# Altium PCB Audio_Blade_Mic_Array.PcbDoc (part 1 of 4) (continued)
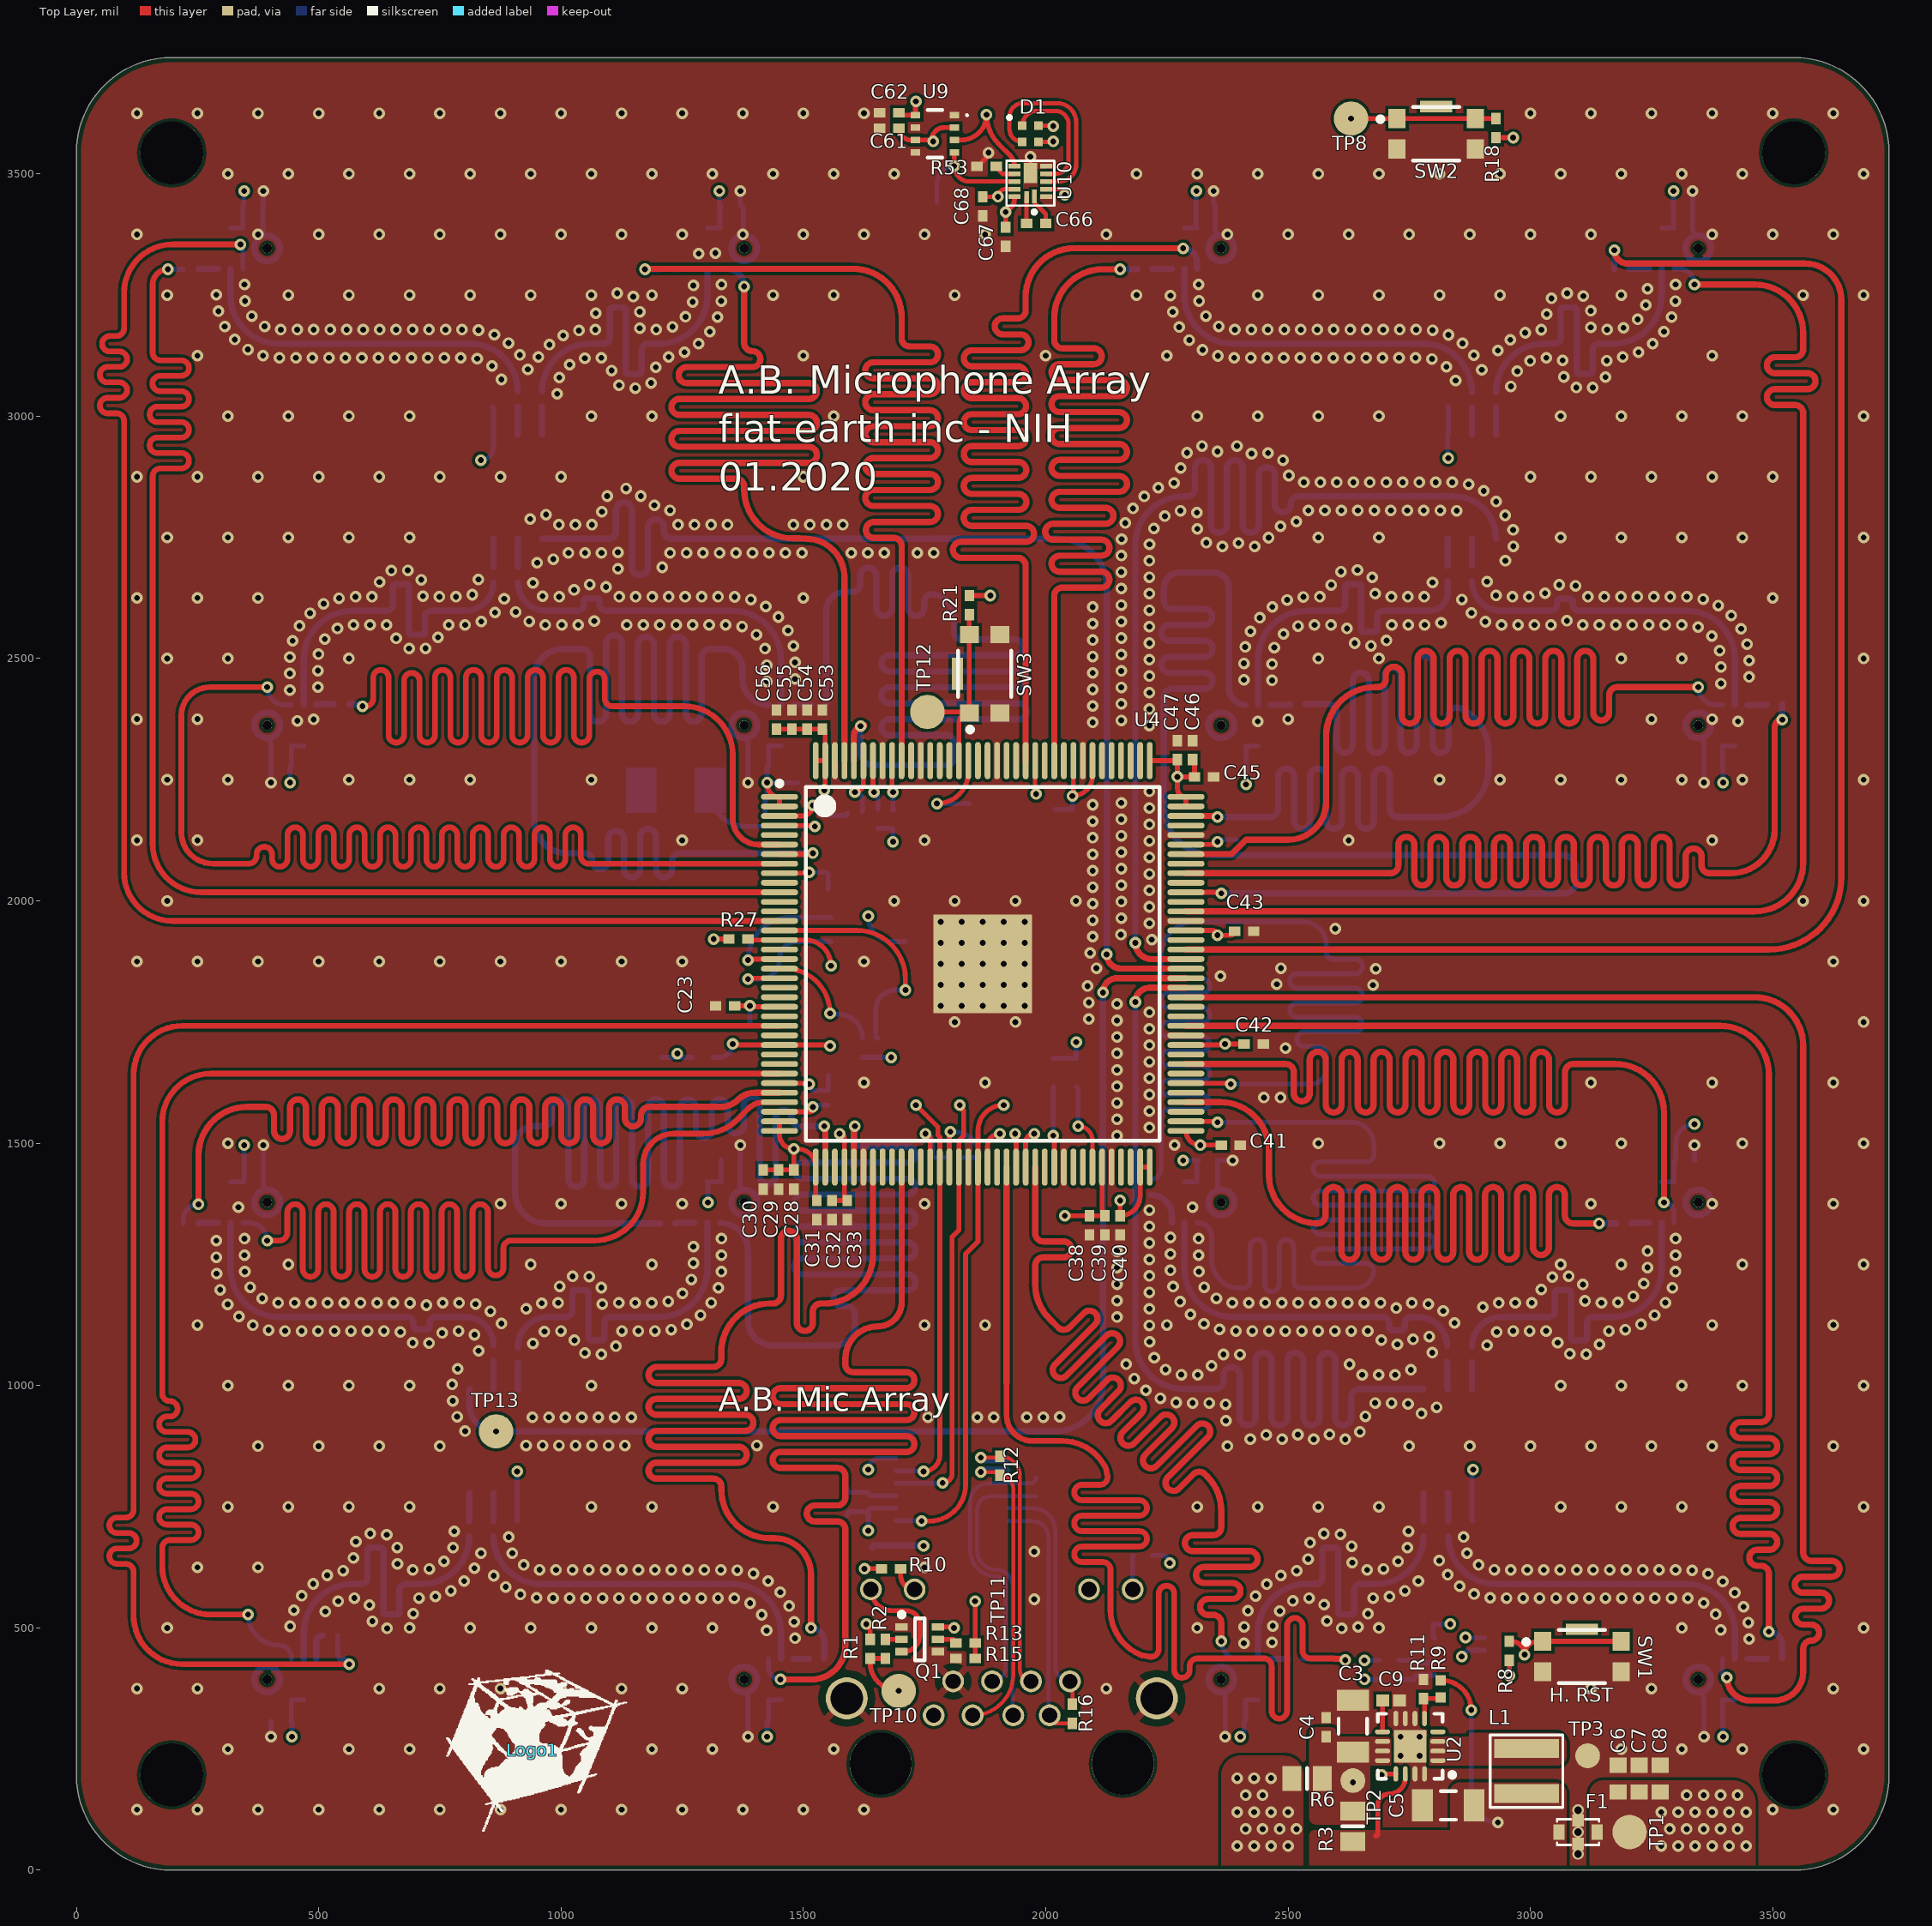
[diagram p0: Top Layer view]
## Footprints (in the part's own frame and the unit in brackets; to place one, negate y for a bottom-side part, rotate by r counter-clockwise, add the part's x,y. Pads: shape width x height; smd on the part's side, far side on the other; paste and mask are expansions set on the pad) (continued)
XFL4020 [mm] "Shielded Power Inductors"
  rect 0.98x3.4 smd: 1(-1.185,0) 2(1.185,0)
  silkscreen extent -1.89,-1.9 1.91,1.9, body extent -2.15,-2.15 2.15,2.15, height 2.05

## Part data
C1 C2 C4: "CAP CER 0.1UF 50V X7R 0402", Capacitance=0.1µF, Manufacturer="TDK Corporation", Operating Temperature="-55°C ~ 125°C", Package / Case="0402 (1005 Metric)", Ratings=-, Supplier Part Number 1=445-173610-1-ND, Temperature Coefficient=X7R, Tolerance=±10%, Voltage - Rated=50V, Applications="Boardflex Sensitive", Category=Capacitors, ComponentLink1Description=https://product.tdk.com/info/en/catalog/datasheets/mlcc_commercial_soft_en.pdf, ComponentLink1URL=https://product.tdk.com/info/en/catalog/datasheets/mlcc_commercial_soft_en.pdf, Failure Rate=-, Features="Soft Termination", Height - Seated (Max)=-, Lead Spacing=-, Lead Style=-, Manufacturer Part Number=C1005X7R1H104K050BE, Mounting Type="Surface Mount, MLCC", Packaging="Cut Tape (CT)", Part Status=Active, Pricing 1="1=0.19, 10=0.133, 100=0.0673, 500=0.04604, 1000=0.04073, 2500=0.03896, 5000=0.03542 (USD)", RoHS="RoHS Compliant", Size / Dimension="0.039\" L x 0.020\" W (1.00mm x 0.50mm)", Stock 1=211300, Supplier 1=Digi-Key, Thickness (Max)="0.024\" (0.60mm)"
C3 C5: "CAP CER 22UF 35V X5R 1206", Capacitance=22uF, Case Code (Imperial)=1206, Case Code (Metric)=3216, Dielectric=X5R, Dielectric Material=Ceramic, Manufacturer=TDK, Max Operating Temperature=85°C, Min Operating Temperature=-55°C, Package Quantity=2000, Supplier Part Number 1=445-8045-1-ND, Tolerance=20%, Voltage=35V, Case/Package=1206, ComponentLink1Description=https://datasheet.ciiva.com/23803/1796654-23803046.pdf, ComponentLink1URL=https://datasheet.ciiva.com/23803/1796654-23803046.pdf, ComponentLink2Description=https://datasheet.ciiva.com/22725/1913358-22725591.pdf, ComponentLink2URL=https://datasheet.ciiva.com/22725/1913358-22725591.pdf, ComponentLink3Description=https://datasheet.ciiva.com/22725/1913358-22725592.pdf, ComponentLink3URL=https://datasheet.ciiva.com/22725/1913358-22725592.pdf, ComponentLink4Description=https://datasheet.ciiva.com/24216/c3216x5r1v226m160ac-265035-24216573.pdf, ComponentLink4URL=https://datasheet.ciiva.com/24216/c3216x5r1v226m160ac-265035-24216573.pdf, ComponentLink5Description=https://datasheet.ciiva.com/6259/tdkmlcccaprange-6259231.pdf, ComponentLink5URL=https://datasheet.ciiva.com/6259/tdkmlcccaprange-6259231.pdf, Composition=Ceramic, Depth=1.6mm, Height=1.6mm, Lead Free="Lead Free", Length=3.2mm, Manufacturer Part Number=C3216X5R1V226M160AC, Mount="Surface Mount", Packaging="Tape and Reel", Pricing 1="1=1.11, 10=0.873, 100=0.6546, 500=0.49462, 1000=0.43643 (USD)", Radiation Hardening=No, REACH SVHC="No SVHC", Stock 1=881642, Supplier 1=Digi-Key, Termination=SMD/SMT, Thickness=1.6mm, Voltage Rating=35V, Voltage Rating (DC)=35V, Weight=0.000571oz, Width=0.063inch
C6 C7 C8: "CAP CER 10UF 6.3V X5R 0603", Capacitance=10uF, Case Code (Imperial)=0603, Case Code (Metric)=1608, Dielectric=X5R, Manufacturer="Taiyo Yuden", Max Operating Temperature=85°C, Min Operating Temperature=-55°C, Package Quantity=4000, Supplier Part Number 1=587-3383-1-ND, Tolerance=20%, Voltage Rating=6.3V, Case/Package=0603, ComponentLink1Description=https://datasheet.ciiva.com/18697/mlcc01-hq-e-18697804.pdf, ComponentLink1URL=https://datasheet.ciiva.com/18697/mlcc01-hq-e-18697804.pdf, ComponentLink2Description=https://datasheet.ciiva.com/18697/mlcc01-hq-e-18697805.pdf, ComponentLink2URL=https://datasheet.ciiva.com/18697/mlcc01-hq-e-18697805.pdf, ComponentLink3Description=https://datasheet.ciiva.com/18697/mlcc01-hq-e-18697806.pdf, ComponentLink3URL=https://datasheet.ciiva.com/18697/mlcc01-hq-e-18697806.pdf, Contact Plating=Nickel,Tin, Halogen Free="Halogen Free", Height=0.8mm, Lead Free="Lead Free", Length=1.6mm, Manufacturer Part Number=JMK107ABJ106MAHT, Mount="Surface Mount", Packaging="Tape and Reel", Pricing 1="1=0.22, 10=0.149, 100=0.0755, 500=0.05166, 1000=0.04571 (USD)", Stock 1=40000, Supplier 1=Digi-Key, Termination=SMD/SMT, Thickness=0.035inch, Voltage Rating (DC)=6.3V, Width=0.8mm
C9: library part CMP-2008-02721-1, "CAP CER 3300PF 50V X7R 0402", Capacitance=3.3nF, Case Code (Imperial)=0402, Case Code (Metric)=1005, Dielectric=X7R, Manufacturer="AVX Interconnect / Elco", Max Operating Temperature=125°C, Min Operating Temperature=-55°C, Package Quantity=10000, Supplier Part Number 1=478-1107-1-ND, Tolerance=10%, Voltage=50V, Case/Package=0402, Category="Ceramic Capacitors", ComponentLink1Description=https://datasheet.ciiva.com/11786/0900766b80dc2409-11786773.pdf?src-supplier=RSComponents, ComponentLink1URL=https://datasheet.ciiva.com/11786/0900766b80dc2409-11786773.pdf?src-supplier=RSComponents, ComponentLink2Description=https://datasheet.ciiva.com/34303/2009172-34303798.pdf?src-supplier=Jameco, ComponentLink2URL=https://datasheet.ciiva.com/34303/2009172-34303798.pdf?src-supplier=Jameco, ComponentLink3Description=https://datasheet.ciiva.com/156/cx7r-156722.pdf?src-supplier=Digi-Key, ComponentLink3URL=https://datasheet.ciiva.com/156/cx7r-156722.pdf?src-supplier=Digi-Key, ComponentLink4Description=https://datasheet.ciiva.com/156/cx7r-156723.pdf?src-supplier=Digi-Key, ComponentLink4URL=https://datasheet.ciiva.com/156/cx7r-156723.pdf?src-supplier=Digi-Key, ComponentLink5Description=https://datasheet.ciiva.com/156/cx7r-156724.pdf?src-supplier=Digi-Key, ComponentLink5URL=https://datasheet.ciiva.com/156/cx7r-156724.pdf?src-supplier=Digi-Key, ComponentLink6Description=https://datasheet.ciiva.com/1123/84526-1123768.pdf?src-supplier=Element14, ComponentLink6URL=https://datasheet.ciiva.com/1123/84526-1123768.pdf?src-supplier=Element14, ComponentLink7Description=https://datasheet.ciiva.com/1123/84526-1123769.pdf?src-supplier=Element14, ComponentLink7URL=https://datasheet.ciiva.com/1123/84526-1123769.pdf?src-supplier=Element14, ComponentLink8Description=https://datasheet.ciiva.com/5416/cx7r-5416188.pdf?src-supplier=Mouser, ComponentLink8URL=https://datasheet.ciiva.com/5416/cx7r-5416188.pdf?src-supplier=Mouser, ComponentLink9Description=https://datasheet.ciiva.com/15165/getdatasheetpartid-63678-15165405.pdf?src-supplier=Verical, ComponentLink9URL=https://datasheet.ciiva.com/15165/getdatasheetpartid-63678-15165405.pdf?src-supplier=Verical, Contact Plating=Tin,Matte, Depth=0.5mm, Height=0.56mm, Lead Free="Lead Free", Length=1mm, Manufacturer Part Number=04025C332KAT2A, Mount="Surface Mount,PCB", Packaging="Tape and Reel", Part Number=04025C332KAT2A, Pricing 1="1=0.15000, 10=0.10600, 100=0.05000, 500=0.03508, 1000=0.02904, 2500=0.02702, 5000=0.02473 (USD)", Radiation Hardening=No, REACH SVHC="No SVHC", RoHS=Yes, Stock 1=249568, Supplier 1=Digi-Key, Termination=SMD/SMT, Thickness=0.022inch, Voltage Rating=50V, Width=0.02inch
C10 C12 C13 C14 C15 C16 C17 C18 C19 C20 C21 C22 C23 C24 C25 C26 C27 C28 C29 C30 C31 C32 C33 C34 C35 C36 C37 C38 C39 C40 C41 C42 C43 C44 C45 C46 C47 C48 C49 C50 C51 C52 C53 C54 C55 C56 C57 C58 C59 C60 C61 C62 C63 C64 C65 C69 C70 C71 C72 C73 C74 C75 C76 C77 C78: "CAP CER 0.1uF 50V X7R +/-10% 0402 AEC-Q200", Capacitance=0.1uF, Case Code (Imperial)=0402, Case Code (Metric)=1005, Dielectric=X7R, Manufacturer="Taiyo Yuden", Max Operating Temperature=125°C, Min Operating Temperature=-55°C, Package Quantity=10000, Supplier Part Number 1=587-4330-1-ND, Tolerance=10%, Voltage Rating=50V, Case/Package=0402, ComponentLink1Description=http://www.yuden.co.jp/productdata/catalog/en/mlcc01_hq_e.pdf, ComponentLink1URL=http://www.yuden.co.jp/productdata/catalog/en/mlcc01_hq_e.pdf, ComponentLink2Description=http://ds.yuden.co.jp/TYCOMPAS/ut/detail.do?productNo=UMK105B7104KVHF&fileName=UMK105B7104KVHF_SS&mode=specSheetDownload, ComponentLink2URL=http://ds.yuden.co.jp/TYCOMPAS/ut/detail.do?productNo=UMK105B7104KVHF&fileName=UMK105B7104KVHF_SS&mode=specSheetDownload, ComponentLink3Description=http://www.mouser.com/ds/2/396/mlcc11_hq_e-541564.pdf, ComponentLink3URL=http://www.mouser.com/ds/2/396/mlcc11_hq_e-541564.pdf, ComponentLink4Description=http://ds.yuden.co.jp/TYCOMPAS/ut/detail.do?productNo=UMK105B7104KVHF&dataUnit=M, ComponentLink4URL=http://ds.yuden.co.jp/TYCOMPAS/ut/detail.do?productNo=UMK105B7104KVHF&dataUnit=M, Height=0.5mm, Length=0.039inch, Manufacturer Part Number=UMK105B7104KVHF, Mount="Surface Mount", Packaging="Tape and Reel", Pricing 1="1=0.23, 10=0.165, 100=0.0775, 500=0.05436, 1000=0.04501, 2500=0.04189, 5000=0.03832 (USD)", Stock 1=100000, Supplier 1=Digi-Key, Termination=SMD/SMT, Thickness=0.022inch, Voltage Rating (DC)=50V, Weight=2.3E-05oz, Width=0.02inch
C11: "CAP CER 4700PF 10V X7R 0603", Capacitance=4.7nF, Case Code (Imperial)=0603, Case Code (Metric)=1608, Dielectric=X7R, Dielectric Material=Ceramic, Manufacturer=KEMET, Max Operating Temperature=125°C, Min Operating Temperature=-55°C, Package Quantity=4000, Supplier Part Number 1=399-9092-6-ND, Tolerance=10%, Voltage Rating=10V, Case/Package=0603, ComponentLink1Description=http://www.mouser.com/ds/2/212/KEM_C1002_X7R_SMD-1102033.pdf, ComponentLink1URL=http://www.mouser.com/ds/2/212/KEM_C1002_X7R_SMD-1102033.pdf, ComponentLink2Description=http://components.arrow.com/part/dataview/3445604S8609586N7429, ComponentLink2URL=http://components.arrow.com/part/dataview/3445604S8609586N7429, ComponentLink3Description=https://search.kemet.com/component-edge/download/datasheet/C0603C472K8RACTU.pdf, ComponentLink3URL=https://search.kemet.com/component-edge/download/datasheet/C0603C472K8RACTU.pdf, ComponentLink4Description=http://capacitoredge.kemet.com/capedge2/DataSheet?pn=C0603C472K8RAC7867, ComponentLink4URL=http://capacitoredge.kemet.com/capedge2/DataSheet?pn=C0603C472K8RAC7867, Contact Plating=Tin,Matte, Depth=0.8mm, Length=1.6mm, Manufacturer Part Number=C0603C472K8RACTU, Mount="Surface Mount", Packaging="Tape and Reel", Pricing 1="1=0.1, 10=0.053, 100=0.0236, 500=0.0168, 1000=0.0132 (USD)", REACH SVHC="No SVHC", Stock 1=15005, Supplier 1=Digi-Key, Termination=SMD/SMT, Thickness=0.034inch, Voltage Rating (DC)=10V, Width=0.031inch
C66: "CAP CER 0.22UF 25V X7R 0402", Capacitance=0.22µF, Manufacturer="TDK Corporation", Operating Temperature="-55°C ~ 125°C", Package / Case="0402 (1005 Metric)", Ratings=-, Supplier Part Number 1=445-174421-1-ND, Temperature Coefficient=X7R, Tolerance=±10%, Voltage - Rated=25V, Applications="General Purpose", Category=Capacitors, ComponentLink1Description=https://product.tdk.com/info/en/catalog/datasheets/mlcc_commercial_general_en.pdf, ComponentLink1URL=https://product.tdk.com/info/en/catalog/datasheets/mlcc_commercial_general_en.pdf, Failure Rate=-, Features="Low ESL", Height - Seated (Max)=-, Lead Spacing=-, Lead Style=-, Manufacturer Part Number=C1005X7R1E224K050BB, Mounting Type="Surface Mount, MLCC", Packaging="Cut Tape (CT)", Part Status=Active, Pricing 1="1=0.17, 10=0.12, 100=0.057, 250=0.048, 500=0.0402, 1000=0.033, 5000=0.0279 (USD)", RoHS="RoHS Compliant", Size / Dimension="0.039\" L x 0.020\" W (1.00mm x 0.50mm)", Stock 1=304, Supplier 1=Digi-Key, Thickness (Max)="0.022\" (0.55mm)"
C67 C68: "CAP CER 1UF 10V X5R 0402", Capacitance=1uF, Case Code (Imperial)=0402, Case Code (Metric)=1005, Manufacturer=TDK, Max Operating Temperature=85°C, Min Operating Temperature=-55°C, Package Quantity=10000, Supplier Part Number 1=445-13179-1-ND, Tolerance=10%, Voltage Rating=10V, Case/Package=0402, ComponentLink1Description=http://product.tdk.com/en/catalog/datasheets/mlcc_commercial_lowprofile_en.pdf, ComponentLink1URL=http://product.tdk.com/en/catalog/datasheets/mlcc_commercial_lowprofile_en.pdf, ComponentLink2Description=https://product.tdk.com/info/en/catalog/datasheets/mlcc_commercial_lowprofile_en.pdf, ComponentLink2URL=https://product.tdk.com/info/en/catalog/datasheets/mlcc_commercial_lowprofile_en.pdf, Lead Free="Lead Free", Length=0.039inch, Manufacturer Part Number=CGB2A1X5R1A105K033BC, Mount="Surface Mount", Packaging="Tape and Reel", Pricing 1="1=0.2, 10=0.14, 100=0.066, 500=0.0463, 1000=0.0383, 2500=0.0357, 5000=0.0326 (USD)", Stock 1=48118, Supplier 1=Digi-Key, Thickness=0.013inch, Width=0.02inch
D1: library part CL-505S-X-SD-T, "Red, Green, Blue (RGB) 615nm Red, 530nm Green, 470nm Blue LED Indication - Discrete 1.85V Red, 2.7V Green, 2.75V Blue 0404 (1010 Metric)", Case Code (Imperial)=0404, Case Code (Metric)=1010, Colour=Blue,Green,Red, Forward Voltage=2.75V, Manufacturer=Citizen, Test Current=5mA, Case/Package=0404, ComponentLink1Description="CL-505S Datasheet", ComponentLink1URL=http://ce.citizen.co.jp/up_img/product/sQNrj4RlM7o2/CL-505S_e.pdf, Dominant Wavelength=470nm, Height=0.26mm, Length=1mm, Luminous Intensity=65mcd, Manufacturer Part Number=CL-505S-X-SD-T, Mount="Surface Mount", Packaging="Tape and Reel", Width=1mm
F1: library part NFM21PC475B1A3D, "CAP FEEDTHRU 4.7UF 20% 10V 0805", Capacitance=4.7µF, Current=6A, DC Resistance (DCR) (Max)="5 mOhm", Manufacturer="Murata Electronics North America", Operating Temperature="-40°C ~ 85°C", Package / Case="0805 (2012 Metric), 3 PC Pad", Ratings=-, Supplier Part Number 1=490-6983-1-ND, Tolerance=±20%, Voltage - Rated=10V, Category=Filters, ComponentLink1Description=http://search.murata.co.jp/Ceramy/image/img/PDF/ENG/L0111S0111NFM21PC.pdf, ComponentLink1URL=http://search.murata.co.jp/Ceramy/image/img/PDF/ENG/L0111S0111NFM21PC.pdf, Height (Max)="0.037\" (0.95mm)", Insertion Loss=-, Manufacturer Part Number=NFM21PC475B1A3D, Mounting Type="Surface Mount", Packaging="Cut Tape (CT)", Part Status=Active, Pricing 1="1=0.42, 10=0.349, 50=0.2706, 100=0.2405, 250=0.2164, 500=0.19838, 1000=0.16832 (USD)", RoHS="RoHS Compliant", Size / Dimension="0.079\" L x 0.049\" W (2.00mm x 1.25mm)", Stock 1=23508, Supplier 1=Digi-Key, Temperature Coefficient=-
FB1: library part CMP-0686-00735-2, "Chip Ferrite Bead for Power Lines, 50 Ohm, 3500 mA, -55 to 125 degC, 3.2 x 1.6 x 1.3 mm SMD, Tape and Reel", DC Resistance="0.015 Ohm Max.", Manufacturer=Murata, Operating Temperature Range="-55 to 125 degC", Rated Current="3500 mA", ComponentLink1Description="Manufacturer URL", ComponentLink1URL=http://www.murata.com/, ComponentLink2Description=Datasheet, ComponentLink2URL=http://www.murata.com/products/catalog/pdf/c31e.pdf, ComponentLink3Description="Package Specification", ComponentLink3URL=http://www.murata.com/products/catalog/pdf/c31e.pdf, DatasheetVersion=08/2013, Impedance (at 100 MHz)="50 Ohm Typ.", Mounting Technology="Surface Mount", PackageDescription="2-Pin Chip, Body 3.2 x 1.6 mm", PackageReference=BLM31-2, Packing="Tape and Reel", PartNumber=BLM31PG500SN1L
J1: library part 615008137421, "Jack Modular Connector 8p8c (RJ45, Ethernet) 90° Angle (Right) Shielded, EMI Finger Cat5", Colour=Black,Green,Yellow, Current Rating=1.5A, Flammability Rating="UL94 V-0", Insulation Resistance=500MR, Manufacturer="Wurth Electronics", Max Operating Temperature=85°C, Min Operating Temperature=-40°C, Package Quantity=60, Supplier Part Number 1=732-2112-ND, Voltage Rating (AC)=120V, ComponentLink1Description=https://datasheet.ciiva.com/11726/0900766b80f88673-11726176.pdf, ComponentLink1URL=https://datasheet.ciiva.com/11726/0900766b80f88673-11726176.pdf, ComponentLink2Description=https://datasheet.ciiva.com/4561/615008137421-71402-4561624.pdf, ComponentLink2URL=https://datasheet.ciiva.com/4561/615008137421-71402-4561624.pdf, ComponentLink3Description=https://datasheet.ciiva.com/686/615008137421-686729.pdf, ComponentLink3URL=https://datasheet.ciiva.com/686/615008137421-686729.pdf, ComponentLink4Description=https://datasheet.ciiva.com/6913/76606-6913951.pdf, ComponentLink4URL=https://datasheet.ciiva.com/6913/76606-6913951.pdf, ComponentLink5Description=https://datasheet.ciiva.com/48689/001088215-da-01-en-wr-com-modular-jack-615008137421-48689541.pdf, ComponentLink5URL=https://datasheet.ciiva.com/48689/001088215-da-01-en-wr-com-modular-jack-615008137421-48689541.pdf, Connector Type=RJ45,Socket,Jack, Contact Material="Copper Alloy", Contact Plating=Tin,Gold, Depth=15.75mm, Direction=Up, Gender=Female, Height=16.93mm, Housing Material=PBT, Length=13.46mm, Manufacturer Part Number=615008137421, Mating Cycles=500, Mount="Through Hole,PCB", Number of Contacts=8, Number of Ports=1, Number of Positions=8, Number of Rows=1, Orientation="Right Angle", Packaging=Tray, Pricing 1="1=2.67, 10=2.621, 50=2.52, 100=2.419, 250=2.318 (USD)", REACH SVHC=Unknown, Shielding=Shielded, Stock 1=1494, Supplier 1=Digi-Key, Termination="Through Hole", Width=16.25mm
L1: library part XFL4020-222MEB, "Fixed Inductors XFL4020 AEC-Q200 2.2 uH 20 % 8 A", DC Resistance (DCR)=23.5mR, Inductance=2.2uH, Manufacturer=Coilcraft, Max DC Current=8A, Max Operating Temperature=125°C, Min Operating Temperature=-40°C, Package Quantity=25, Self Resonant Frequency=38MHz, Supplier Part Number 1=994-XFL4020-222MEB, Test Frequency=100kHz, Tolerance=20%, ComponentLink1Description=http://www.mouser.com/ds/2/597/xfl4020-270756.pdf, ComponentLink1URL=http://www.mouser.com/ds/2/597/xfl4020-270756.pdf, ComponentLink2Description=http://www.mouser.com/ds/2/597/xfl3012-270750.pdf?src-supplier=Mouser, ComponentLink2URL=http://www.mouser.com/ds/2/597/xfl3012-270750.pdf?src-supplier=Mouser, Core Material=Composite, Height=2.1mm, Lead Free="Contains Lead", Length=4.3mm, Manufacturer Part Number=XFL4020-222MEB, Packaging="Tape and Reel", Pricing 1="1=2.13, 10=2.13, 50=1.85, 100=1.55, 500=0.96, 1000=0.884, 2000=0.823, 10000=0.823 (USD)", Shielding=Shielded, Stock 1=10998, Supplier 1=Mouser, Termination=SMD/SMT, Width=4.3mm
Logo1: "FE LOGO in Copper", Load Status="Do Not Install"
MK1 MK2 MK3 MK4 MK5 MK6 MK7 MK8 MK9 MK10 MK11 MK12 MK13 MK14 MK15 MK16: "MIC MEMS DIGITAL OMNI -26DB", Manufacturer="TDK InvenSense", Supplier Part Number 1=1428-1122-1-ND, Category=Microphones, ComponentLink1Description=http://www.farnell.com/datasheets/2632667.pdf?src-supplier=Farnell, ComponentLink1URL=http://www.farnell.com/datasheets/2632667.pdf?src-supplier=Farnell, ComponentLink2Description=https://www.invensense.com/wp-content/uploads/2016/05/PB-000039-ICS-52000-v0.1.pdf?src-supplier=Digi-Key, ComponentLink2URL=https://www.invensense.com/wp-content/uploads/2016/05/PB-000039-ICS-52000-v0.1.pdf?src-supplier=Digi-Key, ComponentLink3Description=https://www.invensense.com/wp-content/uploads/2016/05/DS-000121-ICS-52000-v1.3.pdf?src-supplier=Digi-Key, ComponentLink3URL=https://www.invensense.com/wp-content/uploads/2016/05/DS-000121-ICS-52000-v1.3.pdf?src-supplier=Digi-Key, Manufacturer Part Number=ICS-52000, Pricing 1="1=4.06000, 10=3.35700, 25=3.09760, 50=2.90920, 100=2.72790, 500=2.35338 (USD)", RoHS=No, Stock 1=3554, Supplier 1=Digi-Key
P1: "Pin Header 2x5, 1.27mm (50mil), SMD, Keying Shroud", Color=Black, Current Rating=1.75A, Manufacturer=Samtec, Max Operating Temperature=125°C, Min Operating Temperature=-55°C, Package Quantity=1, Supplier Part Number 1=SAM8795-ND, ComponentLink1Description=http://www.samtec.com/documents/webfiles/cpdf/FTSH-1XX-XX-XXX-DV-XXX-MKT.pdf?src-supplier=Digi-Key, ComponentLink1URL=http://www.samtec.com/documents/webfiles/cpdf/FTSH-1XX-XX-XXX-DV-XXX-MKT.pdf?src-supplier=Digi-Key, ComponentLink2Description=http://uk.rs-online.com/webdocs/13d5/0900766b813d501e.pdf?src-supplier=RSComponents, ComponentLink2URL=http://uk.rs-online.com/webdocs/13d5/0900766b813d501e.pdf?src-supplier=RSComponents, ComponentLink3Description=http://www.samtec.com/documents/webfiles/pdf/ftsh_mt.pdf?src-supplier=Avnet, ComponentLink3URL=http://www.samtec.com/documents/webfiles/pdf/ftsh_mt.pdf?src-supplier=Avnet, Connector Type="Male Pin", Contact Material=Bronze, Contact Mating Length=0.12inch, Contact Plating=Gold, Depth=3.43mm, Gender=Male, Housing Color=Black, Housing Material=Polymer, Lead Free="Lead Free", Length=6.35mm, Manufacturer Part Number=FTSH-105-01-F-DV, Mount="Surface Mount", Number of Contacts=10, Number of Positions=10, Number of Rows=2, Orientation=Straight, Packaging=Rail/Tube, Pitch=1.27mm, Pricing 1="1=1.47, 92=1.2012, 184=1.14658, 552=0.95551, 1012=0.819, 5060=0.72618, 10028=0.7098 (USD)", Pricing 2="1=1.59, 10=1.31, 50=1.31, 100=0.983, 250=0.929, 500=0.819, 1000=0.727, 2500=0.697, 5000=0.683, 10000=0.669 (USD)", Pricing 3="1=1.48, 10=1.31, 25=1.15, 50=0.956, 100=0.819, 250=0.727, 500=0.71 (USD)", Pricing 4="1=1.4099, 10=1.3399, 25=1.2759, 50=1.2199, 100=1.1449 (USD)", Radiation Hardening=No, Row Spacing=0.05inch, Stock 1=9173, Stock 2=3308, Stock 3=351, Stock 4=0, Supplier 1=Digi-Key, Supplier 2=Mouser, Supplier 3=Newark, Supplier 4=Avnet, Supplier Part Number 2=200-FTSH10501FDV, Supplier Part Number 3=01R3399, Supplier Part Number 4=FTSH-105-01-F-DV, Termination=Solder
Q1: "TRANS DUAL GP 200MA 40V SC88", Current - Collector (Ic) (Max)=200mA, Current - Collector Cutoff (Max)=-, DC Current Gain (hFE) (Min) @ Ic, Vce="100 @ 10mA, 1V", Frequency - Transition=300MHz, Manufacturer="ON Semiconductor", Manufacturer Part Number=MBT3904DW1T1G, Package / Case="6-TSSOP, SC-88, SOT-363", Power - Max=150mW, Supplier Device Package=SC-88, Supplier Part Number 1=MBT3904DW1T1GOSCT-ND, Voltage - Collector Emitter Breakdown (Max)=40V, Category="Discrete Semiconductor Products", ComponentLink1Description=http://www.onsemi.com/pub_link/Collateral/MBT3904DW1T1-D.PDF, ComponentLink1URL=http://www.onsemi.com/pub_link/Collateral/MBT3904DW1T1-D.PDF, Mounting Type="Surface Mount", Packaging="Cut Tape (CT)", Pricing 1="1=0.26, 10=0.241, 25=0.1732, 100=0.1347, 250=0.08464, 500=0.0721, 1000=0.04913 (USD)", RoHS="RoHS Compliant", Stock 1=95313, Supplier 1=Digi-Key, SymName=MBT3904DW1T1, Transistor Type="2 NPN (Dual)", Vce Saturation (Max) @ Ib, Ic="300mV @ 5mA, 50mA"
R1 R11 R15: "RES 100K OHM 1/10W 1% 0402 SMD", Manufacturer="Panasonic - ECG", Package / Case="0402 (1005 Metric)", Power (Watts)=100mW, Resistance (Ohms)=100K, Supplier Part Number 1=P100KLCT-ND, Temperature Coefficient=±100ppm/°C, Tolerance=±1%, Category=Resistors, ComponentLink1Description=http://industrial.panasonic.com/www-cgi/jvcr13pz.cgi?E+PZ+3+AOA0002+ERJ2RKF1003X+7+WW, ComponentLink1URL=http://industrial.panasonic.com/www-cgi/jvcr13pz.cgi?E+PZ+3+AOA0002+ERJ2RKF1003X+7+WW, Composition="Thick Film", Features=-, Height="0.016\" (0.40mm)", Manufacturer Part Number=ERJ-2RKF1003X, Number of Terminations=2, Packaging="Cut Tape (CT)", Pricing 1="1=0.1, 50=0.0242, 100=0.0184, 250=0.01364, 500=0.01008, 1000=0.00672, 5000=0.00473 (USD)", RoHS="RoHS Compliant", Size / Dimension="0.039\" L x 0.020\" W (1.00mm x 0.50mm)", Stock 1=2576552, Supplier 1=Digi-Key
R2 R8 R13 R17 R27 R28 R29: "RES 10K OHM 1/10W 1% 0402 SMD", Manufacturer="Panasonic Electronic Components", Package / Case="0402 (1005 Metric)", Power (Watts)=100mW, Resistance (Ohms)=10k, Supplier Device Package=0402, Supplier Part Number 1=P10.0KLCT-ND, Temperature Coefficient=±100ppm/°C, Tolerance=±1%, Category=Resistors, ComponentLink1Description=http://industrial.panasonic.com/www-cgi/jvcr13pz.cgi?E+PZ+3+AOA0002+ERJ2RKF1002X+7+WW, ComponentLink1URL=http://industrial.panasonic.com/www-cgi/jvcr13pz.cgi?E+PZ+3+AOA0002+ERJ2RKF1002X+7+WW, Composition="Thick Film", Features=-, Height="0.016\" (0.40mm)", Manufacturer Part Number=ERJ-2RKF1002X, Number of Terminations=2, Packaging="Cut Tape (CT)", Pricing 1="1=0.1, 50=0.0196, 100=0.0149, 250=0.01104, 500=0.00816, 1000=0.00544, 5000=0.00383 (USD)", RoHS="RoHS Compliant", Size / Dimension="0.039\" L x 0.020\" W (1.00mm x 0.50mm)", Stock 1=5701592, Supplier 1=Digi-Key
R3: "RES 0.0 OHM 1/8W 0805 SMD", Manufacturer="Panasonic - ECG", Package / Case="0805 (2012 Metric)", Power (Watts)="0.125W, 1/8W", Resistance (Ohms)=0.0, Supplier Part Number 1=P0.0ACT-ND, Temperature Coefficient=-, Tolerance=Jumper, Category=Resistors, ComponentLink1Description=http://industrial.panasonic.com/www-cgi/jvcr13pz.cgi?E+PZ+3+AOA0001+ERJ6GEY0R00V+7+WW, ComponentLink1URL=http://industrial.panasonic.com/www-cgi/jvcr13pz.cgi?E+PZ+3+AOA0001+ERJ6GEY0R00V+7+WW, Composition="Thick Film", Features=-, Height="0.028\" (0.70mm)", Manufacturer Part Number=ERJ-6GEY0R00V, Number of Terminations=2, Packaging="Cut Tape (CT)", Pricing 1="1=0.05, 50=0.0172, 100=0.0131, 250=0.00976, 500=0.0072, 1000=0.0048 (USD)", RoHS="RoHS Compliant", Size / Dimension="0.079\" L x 0.049\" W (2.00mm x 1.25mm)", Stock 1=1649858, Supplier 1=Digi-Key
R4 R5: "RES 10 OHM 1/10W 1% 0402 SMD", Manufacturer="Panasonic Electronic Components", Package / Case="0402 (1005 Metric)", Power (Watts)=0.1W, Resistance (Ohms)=10, Supplier Device Package=0402, Supplier Part Number 1=P10.0LCT-ND, Temperature Coefficient=±100ppm/°C, Tolerance=±1%, Category=Resistors, ComponentLink1Description=http://industrial.panasonic.com/www-cgi/jvcr13pz.cgi?E+PZ+3+AOA0002+ERJ2RKF10R0X+7+WW, ComponentLink1URL=http://industrial.panasonic.com/www-cgi/jvcr13pz.cgi?E+PZ+3+AOA0002+ERJ2RKF10R0X+7+WW, Composition="Thick Film", Features=-, Height="0.016\" (0.40mm)", Manufacturer Part Number=ERJ-2RKF10R0X, Number of Terminations=2, Packaging="Cut Tape (CT)", Pricing 1="1=0.1, 50=0.0196, 100=0.0149, 250=0.01104, 500=0.00816, 1000=0.00544, 5000=0.00383 (USD)", RoHS="RoHS Compliant", Size / Dimension="0.039\" L x 0.020\" W (1.00mm x 0.50mm)", Stock 1=1086258, Supplier 1=Digi-Key
R6: "RES SMD 0.1 OHM 1% 1/2W 0805", Case Code (Imperial)=0805, Case Code (Metric)=2012, Manufacturer=Panasonic, Max Operating Temperature=155°C, Max Power Dissipation=500mW, Min Operating Temperature=-55°C, Resistance=100m, Supplier Part Number 1=P19308CT-ND, Temperature Coefficient=150ppm/°C, Tolerance=1%, Case/Package=0805, ComponentLink1Description=https://industrial.panasonic.com/cdbs/www-data/pdf/RDN0000/AOA0000C313.pdf, ComponentLink1URL=https://industrial.panasonic.com/cdbs/www-data/pdf/RDN0000/AOA0000C313.pdf, Composition="Thick Film", Height=0.028inch, Length=0.079inch, Manufacturer Part Number=ERJ-6DSFR10V, Number of Terminations=2, Packaging="Cut Tape", Pricing 1="1=0.5, 10=0.36, 25=0.266, 50=0.196, 100=0.1438, 250=0.11884, 500=0.09798, 1000=0.07088 (USD)", Stock 1=3141, Supplier 1=Digi-Key, Width=0.049inch
R7 R10: "RES 499 OHM 1/10W 1% 0402 SMD", Manufacturer="Panasonic Electronic Components", Operating Temperature="-55°C ~ 155°C", Package / Case="0402 (1005 Metric)", Power (Watts)=100mW, Resistance (Ohms)=499, Supplier Device Package=0402, Supplier Part Number 1=P499LCT-ND, Temperature Coefficient=±100ppm/°C, Tolerance=±1%, Category=Resistors, ComponentLink1Description=http://industrial.panasonic.com/www-cgi/jvcr13pz.cgi?E+PZ+3+AOA0002+ERJ2RKF4990X+7+WW, ComponentLink1URL=http://industrial.panasonic.com/www-cgi/jvcr13pz.cgi?E+PZ+3+AOA0002+ERJ2RKF4990X+7+WW, Composition="Thick Film", Features="Automotive AEC-Q200 Qualified", Height="0.016\" (0.40mm)", Manufacturer Part Number=ERJ-2RKF4990X, Number of Terminations=2, Packaging="Cut Tape (CT)", Pricing 1="1=0.1, 50=0.0196, 100=0.0149, 250=0.01104, 500=0.00816, 1000=0.00544, 5000=0.00383 (USD)", RoHS="RoHS Compliant", Size / Dimension="0.039\" L x 0.020\" W (1.00mm x 0.50mm)", Stock 1=781785, Supplier 1=Digi-Key
R9: library part CMP-2002-00839-1, "RES SMD 287K OHM 1% 1/10W 0402", Case Code (Imperial)=0402, Case Code (Metric)=1005, Manufacturer=Panasonic, Max Operating Temperature=155°C, Max Power Dissipation=100mW, Min Operating Temperature=-55°C, Package Quantity=1, Resistance=287k, Supplier Part Number 1=P287KLCT-ND, Temperature Coefficient=100ppm/°C, Tolerance=1%, Voltage Rating=50V, Case/Package=0402, Category="Chip SMD Resistors", ComponentLink1Description=https://datasheet.ciiva.com/16776/70260748-16776197.pdf?src-supplier=Allied+Electronics, ComponentLink1URL=https://datasheet.ciiva.com/16776/70260748-16776197.pdf?src-supplier=Allied+Electronics, ComponentLink2Description=https://datasheet.ciiva.com/30125/aoa0000ce2-30125319.pdf?src-supplier=Onlinecomponents.com, ComponentLink2URL=https://datasheet.ciiva.com/30125/aoa0000ce2-30125319.pdf?src-supplier=Onlinecomponents.com, ComponentLink3Description=https://datasheet.ciiva.com/46373/1678782-46373063.pdf?src-supplier=Element14, ComponentLink3URL=https://datasheet.ciiva.com/46373/1678782-46373063.pdf?src-supplier=Element14, ComponentLink4Description=https://datasheet.ciiva.com/46373/1678782-46373064.pdf?src-supplier=Element14, ComponentLink4URL=https://datasheet.ciiva.com/46373/1678782-46373064.pdf?src-supplier=Element14, ComponentLink5Description=https://datasheet.ciiva.com/24024/aoa0000ce2-24024729.pdf?src-supplier=Mouser, ComponentLink5URL=https://datasheet.ciiva.com/24024/aoa0000ce2-24024729.pdf?src-supplier=Mouser, ComponentLink6Description=https://datasheet.ciiva.com/22721/1678782-22721978.pdf?src-supplier=Farnell, ComponentLink6URL=https://datasheet.ciiva.com/22721/1678782-22721978.pdf?src-supplier=Farnell, Composition="Thick Film", Contact Plating=Tin, Depth=0.5mm, Features="Automotive AEC-Q200", Height=0.35mm, Lead Free="Lead Free", Length=1mm, Manufacturer Part Number=ERJ-2RKF2873X, Military Standard=Not, Mount="Surface Mount", Number of Terminations=2, Packaging="Tape and Reel", Part Number=ERJ-2RKF2873X, Power Rating=100mW, Pricing 1="1=0.10000, 10=0.05000, 100=0.02030, 1000=0.00912, 2500=0.00791, 5000=0.00654 (USD)", REACH SVHC="No SVHC", RoHS=Yes, Stock 1=392833, Supplier 1=Digi-Key, Termination=SMD/SMT, Voltage Rating (DC)=50V, Width=0.02inch
R12 R14 R16: "RES 100 OHM 1/10W 1% 0402 SMD", Manufacturer="Panasonic Electronic Components", Package / Case="0402 (1005 Metric)", Power (Watts)=100mW, Resistance (Ohms)=100, Supplier Device Package=0402, Supplier Part Number 1=P100LCT-ND, Temperature Coefficient=±100ppm/°C, Tolerance=±1%, Category=Resistors, ComponentLink1Description=http://industrial.panasonic.com/www-cgi/jvcr13pz.cgi?E+PZ+3+AOA0002+ERJ2RKF1000X+7+WW, ComponentLink1URL=http://industrial.panasonic.com/www-cgi/jvcr13pz.cgi?E+PZ+3+AOA0002+ERJ2RKF1000X+7+WW, Composition="Thick Film", Features=-, Height="0.016\" (0.40mm)", Manufacturer Part Number=ERJ-2RKF1000X, Number of Terminations=2, Packaging="Cut Tape (CT)", Pricing 1="1=0.1, 50=0.0242, 100=0.0184, 250=0.01364, 500=0.01008, 1000=0.00672, 5000=0.00473 (USD)", RoHS="RoHS Compliant", Size / Dimension="0.039\" L x 0.020\" W (1.00mm x 0.50mm)", Stock 1=2273632, Supplier 1=Digi-Key
R18 R19 R20 R21: "RES 1K OHM 1/10W 1% 0402 SMD", Manufacturer="Panasonic Electronic Components", Operating Temperature="-55°C ~ 155°C", Package / Case="0402 (1005 Metric)", Power (Watts)=100mW, Resistance (Ohms)=1k, Supplier Device Package=0402, Supplier Part Number 1=P1.00KLCT-ND, Temperature Coefficient=±100ppm/°C, Tolerance=±1%, Category=Resistors, ComponentLink1Description=http://industrial.panasonic.com/www-cgi/jvcr13pz.cgi?E+PZ+3+AOA0002+ERJ2RKF1001X+7+WW, ComponentLink1URL=http://industrial.panasonic.com/www-cgi/jvcr13pz.cgi?E+PZ+3+AOA0002+ERJ2RKF1001X+7+WW, Composition="Thick Film", Features="Automotive AEC-Q200 Qualified", Height="0.016\" (0.40mm)", Manufacturer Part Number=ERJ-2RKF1001X, Number of Terminations=2, Packaging="Cut Tape (CT)", Pricing 1="1=0.1, 50=0.0196, 100=0.0149, 250=0.01104, 500=0.00816, 1000=0.00544, 5000=0.00383 (USD)", RoHS="RoHS Compliant", Size / Dimension="0.039\" L x 0.020\" W (1.00mm x 0.50mm)", Stock 1=707429, Supplier 1=Digi-Key